# Allegro board MinnowMax_RevA1.brd (continued)
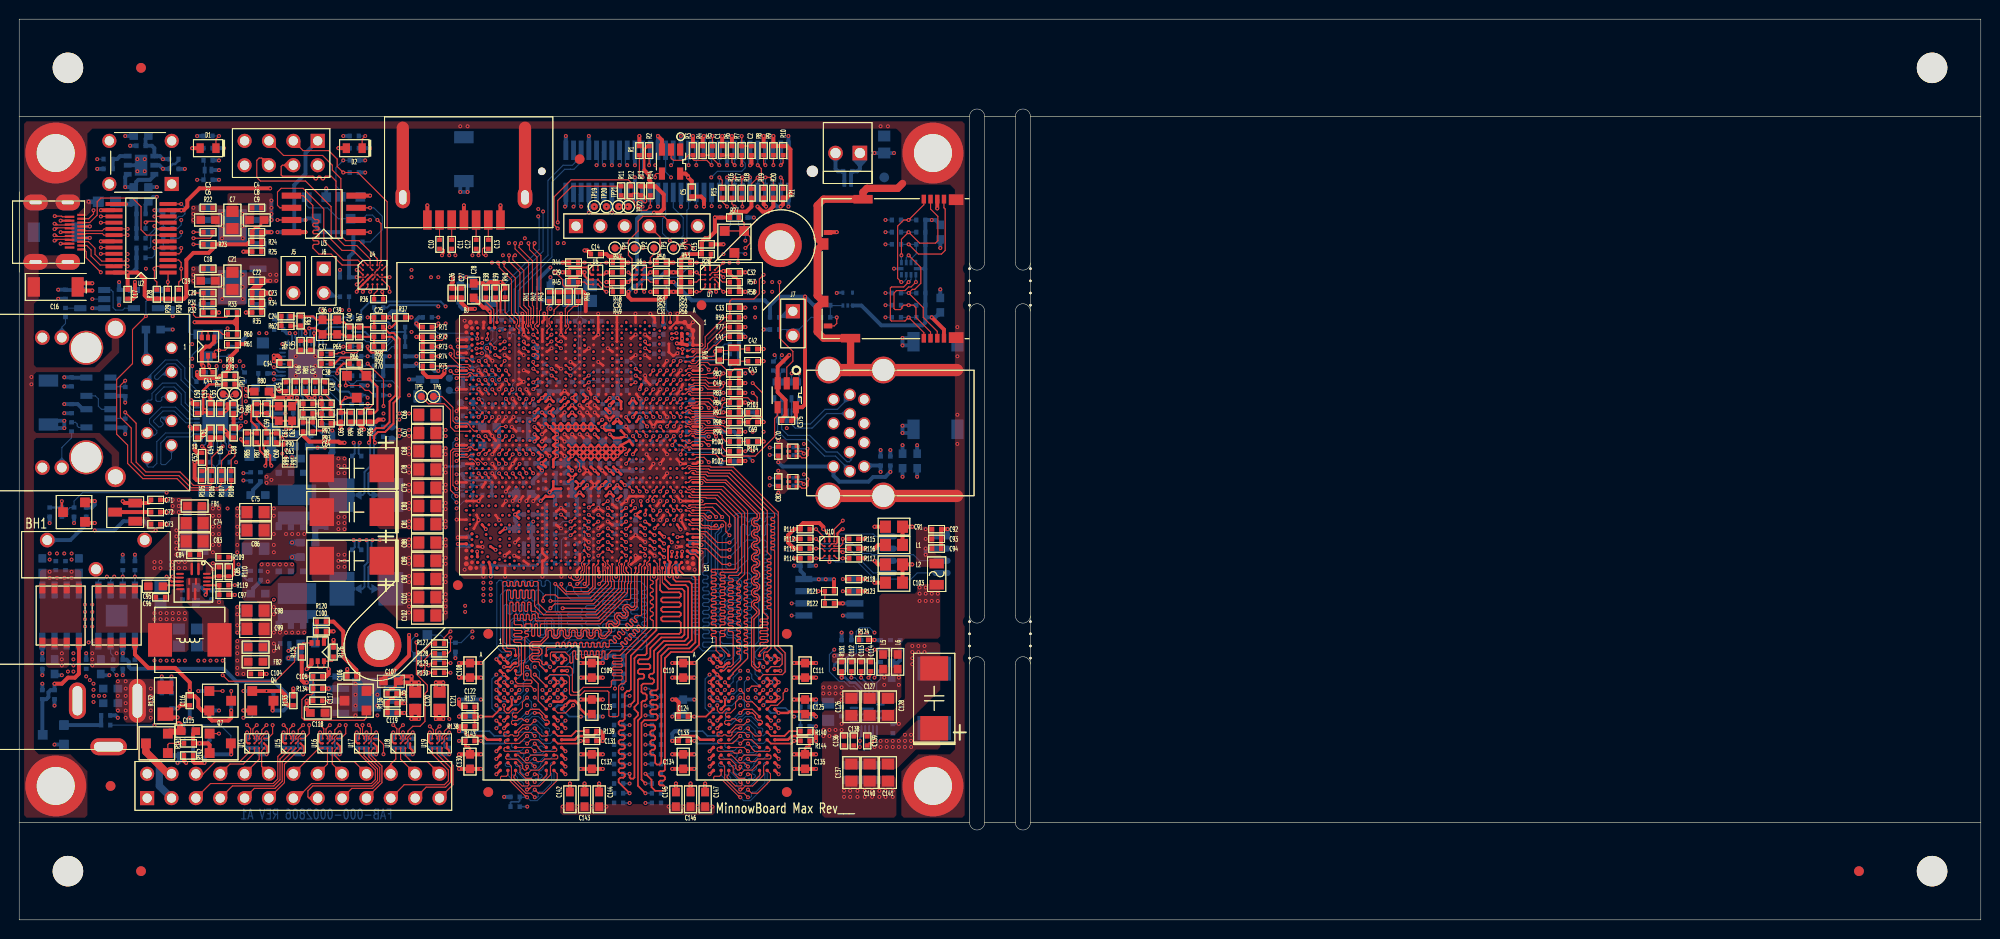
[diagram p0: board, top side]
## Routing (per net, layer and track width the routed paths; a pad name or vN(x,y) marks a point on that pad's centre or on a via; arc(x,y) is an arc through that point) (continued)
M_DATA_A46: length 31.9
  TOP w0.114: CPU1.Y42 60.86,41.91 v1(60.36,42.27) ; MEM1.G2 v1(50.54,23.19)
  INT3(V) w0.102: v1(50.54,23.19) 50.93,23.58 50.93,24.13 51.18,24.38 51.44,24.38 51.69,24.64 51.69,26.67 52.36,27.34 52.36,27.51 52.21,27.66 52.21,27.82 52.33,27.94 52.5,27.94 52.77,27.67 52.94,27.67 53.06,27.79 53.06,27.95 52.78,28.23 52.78,28.37 52.89,28.48 53.03,28.48 53.3,28.2 53.47,28.2 53.59,28.32 53.59,28.49 53.36,28.72 53.36,28.97 53.48,29.09 53.65,29.09 53.79,28.94 53.96,28.94 54.08,29.06 54.08,29.23 53.93,29.38 53.93,29.55 54.05,29.67 54.22,29.67 54.37,29.52 54.54,29.52 54.66,29.64 54.66,29.81 54.51,29.96 54.51,30.12 54.63,30.24 54.8,30.24 54.94,30.09 55.11,30.09 55.23,30.21 55.23,30.38 55.08,30.53 55.08,30.7 55.2,30.82 55.37,30.82 55.52,30.67 55.69,30.67 55.81,30.79 55.81,30.96 55.66,31.1 55.66,31.27 55.78,31.39 55.94,31.39 56.09,31.24 56.26,31.24 56.38,31.36 56.38,31.53 56.23,31.68 56.23,31.85 56.35,31.97 56.52,31.97 56.67,31.82 56.84,31.82 57.53,32.51 57.53,32.68 57.38,32.83 57.38,33 57.5,33.12 57.67,33.12 57.82,32.97 57.99,32.97 58.11,33.09 58.11,33.25 57.96,33.4 57.96,33.57 58.08,33.69 58.24,33.69 58.39,33.54 58.56,33.54 58.68,33.66 58.68,33.83 58.53,33.98 58.53,34.15 58.65,34.27 58.82,34.27 58.97,34.12 59.14,34.12 59.31,34.29 59.31,36.7 60.01,37.4 60.01,41.91 v1(60.36,42.27)
M_DATA_A47: length 31.9
  TOP w0.114: v1(52.94,26.39) 53.34,25.99 53.34,25.4 54.1,24.64 54.1,22.83 MEM1.H7 ; CPU1.AB40 v1(59.37,43.03)
  INT3(V) w0.102: v1(59.37,43.03) 59.4,43 59.85,43 60.22,42.64 60.5,42.64 60.72,42.41 60.72,37.61 59.69,36.58 59.69,33.91 59.3,33.52 59.04,33.52 58.92,33.4 58.92,33.23 59.07,33.08 59.07,32.91 58.95,32.79 58.79,32.79 58.64,32.94 58.47,32.94 58.35,32.82 58.35,32.65 58.5,32.5 58.5,32.34 58.38,32.22 58.21,32.22 58.06,32.37 57.89,32.37 57.77,32.25 57.77,32.08 57.92,31.93 57.92,31.76 57.8,31.64 57.64,31.64 57.49,31.79 57.32,31.79 57.2,31.67 57.2,31.5 57.35,31.35 57.35,31.19 57.23,31.07 57.06,31.07 56.91,31.22 56.74,31.22 56.62,31.1 56.62,30.93 56.77,30.78 56.77,30.61 56.65,30.49 56.49,30.49 56.34,30.64 56.17,30.64 56.05,30.52 56.05,30.35 56.2,30.21 56.2,30.04 56.08,29.92 55.91,29.92 55.76,30.07 55.59,30.07 55.48,29.95 55.48,29.78 55.62,29.63 55.62,29.46 55.51,29.34 55.34,29.34 55.19,29.49 55.02,29.49 54.9,29.37 54.9,29.2 55.05,29.06 55.05,28.89 54.93,28.77 54.76,28.77 54.61,28.92 54.44,28.92 54.33,28.8 54.33,28.63 54.47,28.48 54.47,28.31 52.94,26.78 v1(52.94,26.39)
M_DATA_A48: length 31
  TOP w0.114: CPU1.V45 v1(61.35,40.84)
  INT8(V) w0.102: v1(53.74,26.39) 53.09,27.04 53.09,28.14 53.21,28.26 53.47,28.26 53.59,28.38 53.59,28.55 53.47,28.67 53.21,28.67 53.09,28.79 53.09,28.96 53.21,29.08 53.47,29.08 53.59,29.19 53.59,29.36 53.47,29.48 53.21,29.48 53.09,29.6 53.09,29.77 53.21,29.89 53.47,29.89 53.59,30.01 53.59,30.18 53.47,30.29 53.21,30.29 53.09,30.41 53.09,30.58 53.21,30.7 53.47,30.7 53.59,30.82 53.59,30.99 53.47,31.11 53.21,31.11 53.09,31.23 53.09,31.39 53.21,31.51 53.47,31.51 53.59,31.63 53.59,31.8 53.47,31.92 53.21,31.92 53.09,32.04 53.09,32.21 53.21,32.33 53.47,32.33 53.59,32.45 53.59,32.61 53.47,32.73 53.21,32.73 53.09,32.85 53.09,33.02 53.21,33.14 53.47,33.14 53.59,33.26 53.59,33.43 53.47,33.55 53.21,33.55 53.09,33.66 53.09,33.83 53.21,33.95 53.47,33.95 53.59,34.07 53.59,34.24 53.47,34.36 53.21,34.36 53.09,34.48 53.09,34.65 53.21,34.76 53.47,34.76 53.59,34.88 53.59,35.05 53.47,35.17 53.21,35.17 53.09,35.29 53.09,35.46 53.21,35.58 53.47,35.58 53.59,35.7 53.59,35.86 53.47,35.98 53.21,35.98 53.09,36.1 53.09,36.27 53.21,36.39 53.47,36.39 53.59,36.51 53.59,36.96 56.26,39.62 57.78,39.62 58.66,40.5 61.01,40.5 v1(61.35,40.84)
  BOTTOM w0.114: v1(53.74,26.39) 54.23,25.9 54.23,25.1 MEM4.E3
M_DATA_A49: length 31.9
  TOP w0.114: CPU1.V47 v1(61.35,40.13)
  INT8(V) w0.102: v1(61.35,40.13) 61.35,40.15 61.72,40.51 61.72,41.02 61.54,41.2 61.5,41.2 58.6,41.2 57.9,40.5 56.63,40.5 52.58,36.45 52.58,34.85 52.46,34.73 52.32,34.73 52.2,34.61 52.2,34.45 52.32,34.33 52.46,34.33 52.58,34.21 52.58,34.04 52.46,33.92 52.32,33.92 52.2,33.8 52.2,33.63 52.32,33.51 52.46,33.51 52.58,33.39 52.58,33.23 52.46,33.11 52.32,33.11 52.2,32.99 52.2,32.82 52.32,32.7 52.46,32.7 52.58,32.58 52.58,32.41 52.46,32.29 52.32,32.29 52.2,32.18 52.2,32.01 52.32,31.89 52.46,31.89 52.58,31.77 52.58,31.6 52.46,31.48 52.32,31.48 52.2,31.36 52.2,31.19 52.32,31.08 52.46,31.08 52.58,30.96 52.58,30.79 52.46,30.67 52.32,30.67 52.2,30.55 52.2,30.38 52.32,30.26 52.46,30.26 52.58,30.14 52.58,29.98 52.46,29.86 52.32,29.86 52.2,29.74 52.2,29.57 52.32,29.45 52.46,29.45 52.58,29.33 52.58,29.16 52.46,29.04 52.32,29.04 52.2,28.92 52.2,28.76 52.32,28.64 52.46,28.64 52.58,28.52 52.58,28.35 52.46,28.23 52.32,28.23 52.2,28.11 52.2,27.94 52.32,27.82 52.46,27.82 52.58,27.71 52.58,27.54 52.46,27.42 52.32,27.42 52.2,27.3 52.2,27.13 52.32,27.01 52.46,27.01 52.58,26.89 52.58,26.72 52.46,26.61 52.32,26.61 52.2,26.49 52.2,26.33 v1(52.94,25.59)
  BOTTOM w0.114: MEM4.F7 52.25,23.59 52.54,23.88 52.54,24.73 52.94,25.13 v1(52.94,25.59)
M_DATA_A50: length 31.7
  TOP w0.114: v1(59.37,38.74) 59.35,38.74 58.94,39.13 CPU1.AD48
  INT8(V) w0.102: v1(59.37,38.74) 59.37,38.94 60.21,39.78 60.22,39.78 62.08,39.78 62.36,39.5 62.36,37.85 62.74,37.47 62.74,36.71 62.62,36.59 62.22,36.59 62.1,36.47 62.1,36.3 62.22,36.18 62.62,36.18 62.74,36.06 62.74,35.53 62.62,35.41 62.22,35.41 62.1,35.29 62.1,35.12 62.22,35 62.62,35 62.74,34.88 62.74,34.71 62.62,34.6 62.22,34.6 62.1,34.48 62.1,34.31 62.22,34.19 62.62,34.19 62.74,34.07 62.74,33.9 62.62,33.78 62.22,33.78 62.1,33.66 62.1,33.49 62.22,33.38 62.62,33.38 62.72,33.27 62.72,33 59.44,29.72 59.44,24.26 59.05,23.88 59.05,22.73 58.8,22.48 58.29,22.48 58.03,22.74 58.03,23.2 57.91,23.32 57.59,23.32 57.47,23.2 57.47,22.86 57.35,22.75 56.24,22.75 56.14,22.85 v1(56.14,23.19)
  BOTTOM w0.114: MEM4.F2 v1(56.14,23.19)
M_DATA_A51: length 31.8
  TOP w0.114: v1(59.37,38) CPU1.AD50
  INT8(V) w0.102: v1(59.37,38) 58.61,38 58.51,37.9 58.51,37.6 58.63,37.48 59.19,37.48 59.31,37.36 59.31,37.19 59.19,37.07 58.63,37.07 58.51,36.95 58.51,36.78 58.63,36.67 59.19,36.67 59.31,36.55 59.31,36.38 59.19,36.26 58.63,36.26 58.51,36.14 58.51,35.97 58.63,35.85 59.19,35.85 59.31,35.73 59.31,35.56 59.19,35.45 58.63,35.45 58.51,35.33 58.51,34.79 58.63,34.67 59.19,34.67 59.31,34.55 59.31,34.04 59.04,33.77 58.88,33.77 58.35,34.3 58.18,34.3 58.06,34.18 58.06,34.01 58.59,33.48 58.59,33.32 58.47,33.2 58.3,33.2 57.77,33.73 57.6,33.73 57.48,33.61 57.48,33.44 58.01,32.91 58.01,32.74 57.89,32.62 57.73,32.62 57.2,33.15 57.03,33.15 56.91,33.03 56.91,32.86 57.44,32.33 57.44,32.17 57.28,32 54.99,32 54.74,31.75 54.74,27.69 55,27.43 55,26.04 54.36,25.4 54.36,25.02 53.72,24.38 51.73,24.38 v1(51.34,23.99)
  BOTTOM w0.114: MEM4.F8 v1(51.34,23.99)
M_DATA_A52: length 31.3
  TOP w0.114: v1(61.35,39.42) CPU1.V48
  INT8(V) w0.102: v1(53.74,23.19) 53.74,22.89 54.15,22.48 54.86,22.48 55.13,22.75 55.51,22.75 55.75,22.99 55.75,23.37 56,23.62 58.29,23.62 59.05,24.38 59.05,31.02 59.16,31.12 59.3,31.12 59.67,30.75 59.84,30.75 59.96,30.87 59.96,31.04 59.49,31.51 59.49,31.68 59.61,31.79 59.78,31.79 60.24,31.33 60.41,31.33 60.53,31.45 60.53,31.62 60.06,32.08 60.06,32.25 60.18,32.37 60.35,32.37 60.82,31.9 60.99,31.9 61.1,32.02 61.1,32.19 60.64,32.66 60.64,32.82 60.76,32.94 60.93,32.94 61.39,32.48 61.56,32.48 61.72,32.64 61.72,37.08 61.98,37.34 61.98,39.12 61.67,39.42 v1(61.35,39.42)
  BOTTOM w0.114: v1(53.74,23.19) MEM4.H3
M_DATA_A53: length 31.9
  TOP w0.114: v1(61.35,38.71) CPU1.V50
  INT8(V) w0.102: v1(52.94,23.99) 53.31,23.62 53.85,23.62 54.1,23.37 54.1,22.99 54.25,22.83 54.71,22.83 54.99,23.11 54.99,23.37 55.27,23.65 55.48,23.65 55.75,23.92 55.75,24.13 56.01,24.38 58.04,24.38 58.17,24.51 58.17,24.78 58.05,24.89 57.9,24.89 57.78,25.01 57.78,25.18 57.9,25.3 58.05,25.3 58.17,25.42 58.17,25.59 58.05,25.71 57.9,25.71 57.78,25.83 57.78,25.99 57.9,26.11 58.05,26.11 58.17,26.23 58.17,27.05 58.27,27.15 58.56,27.15 58.66,27.25 58.66,27.49 58.56,27.6 58.29,27.6 58.17,27.72 58.17,27.88 58.29,28 58.55,28 58.67,28.12 58.67,28.29 58.55,28.41 58.29,28.41 58.17,28.53 58.17,28.7 58.29,28.82 58.55,28.82 58.67,28.93 58.67,29.1 58.55,29.22 58.29,29.22 58.17,29.34 58.17,29.51 58.29,29.63 58.55,29.63 58.67,29.75 58.67,29.92 58.55,30.03 58.29,30.03 58.17,30.15 58.17,30.32 58.29,30.44 58.55,30.44 58.67,30.56 58.67,30.73 58.55,30.85 58.27,30.85 58.17,30.95 58.17,31.11 61.35,34.3 61.35,34.81 61.24,34.92 61.08,34.92 60.96,35.04 60.96,35.21 61.08,35.33 61.24,35.33 61.35,35.45 61.35,35.62 61.24,35.74 61.08,35.74 60.96,35.86 60.96,36.03 61.08,36.14 61.24,36.14 61.36,36.26 61.36,38.23 61.35,38.24 v1(61.35,38.71)
  BOTTOM w0.114: v1(52.94,23.99) 52.94,23.73 52.58,23.37 52.58,22.99 52.02,22.43 51.38,22.43 MEM4.H8
M_DATA_A54: length 31.8
  TOP w0.114: CPU1.AB44 v1(60.36,41.56)
  INT8(V) w0.102: v1(55.34,22.39) 55.34,21.49 55.63,21.21 57.78,21.21 58.04,20.95 58.04,20.57 58.29,20.32 59.18,20.32 59.44,20.57 59.44,23.75 59.82,24.13 59.82,29.46 63.12,32.77 63.12,37.59 62.74,37.97 62.74,40.77 61.61,41.9 60.71,41.9 v1(60.36,41.56)
  BOTTOM w0.114: MEM4.G2 v1(55.34,22.39)
M_DATA_A55: length 31.9
  TOP w0.114: CPU1.Y45 v1(60.36,40.13)
  INT8(V) w0.102: v1(49.74,25.59) 50.18,25.15 53.09,25.15 53.34,25.4 53.34,25.68 53.6,25.93 53.87,25.93 54.23,26.29 54.23,26.92 53.98,27.18 53.98,34.11 55.78,35.91 55.78,36.39 55.63,36.55 55.63,36.71 55.75,36.83 55.89,36.83 56.01,36.95 56.01,37.12 55.89,37.24 55.75,37.24 55.63,37.36 55.63,37.53 55.75,37.65 55.89,37.65 56.01,37.77 56.01,37.93 55.89,38.05 55.75,38.05 55.63,38.17 55.63,38.35 56.52,39.24 58.17,39.24 58.71,39.79 59.6,39.79 59.95,40.13 v1(60.36,40.13)
  BOTTOM w0.114: MEM4.H7 51.34,21.59 49.78,21.59 49.28,22.1 49.28,25.13 v1(49.74,25.59)
M_DATA_A56: length 31.6
  TOP w0.114: v1(56.64,32.51) 59.94,32.51 62.03,34.6 62.03,35.37 61.83,35.58 61.83,37.09 CPU1.V52
  BOTTOM w0.114: MEM4.D7 51.99,25.19 52.8,26 53.18,26 53.34,26.16 53.34,26.67 54.1,27.43 54.1,28.45 54.53,28.88 56.57,28.88 57.28,29.59 58.57,29.59 58.67,29.69 58.67,29.87 58.55,29.98 57.27,29.98 57.15,30.1 57.15,30.27 57.27,30.39 58.55,30.39 58.67,30.51 58.67,30.68 58.55,30.8 57.27,30.8 57.15,30.92 57.15,31.08 57.27,31.2 58.55,31.2 58.67,31.32 58.67,31.49 58.55,31.61 57.27,31.61 57.15,31.73 57.15,31.9 57.27,32.02 58.55,32.02 58.67,32.14 58.67,32.39 58.55,32.51 v1(56.64,32.51)
M_DATA_A57: length 31.8
  TOP w0.102: 61.61,36.45 61.61,36.88 61.61,36.88 61.61,36.89 61.34,37.15 61.34,37.45 CPU1.W51
  TOP w0.114: 61.61,36.45 61.61,35.42 61.73,35.3 61.73,34.81 59.89,32.97 55.83,32.97 v1(55.37,32.51)
  BOTTOM w0.114: MEM4.C8 51.31,26.36 51.31,26.92 51.56,27.18 51.82,27.18 52.19,27.55 52.19,28.2 51.69,28.7 50.8,28.7 50.55,28.96 50.55,32.77 50.67,32.89 50.84,32.89 50.96,32.77 50.96,32 51.08,31.88 51.25,31.88 51.37,32 51.37,32.77 51.49,32.89 51.65,32.89 51.77,32.77 51.77,32 51.89,31.88 52.06,31.88 52.18,32 52.18,32.77 52.3,32.89 52.47,32.89 52.59,32.77 52.59,32 52.7,31.88 52.87,31.88 52.99,32 52.99,32.77 53.11,32.89 53.28,32.89 53.4,32.77 53.4,32 53.52,31.88 53.69,31.88 53.81,32 53.81,32.77 53.92,32.89 54.09,32.89 54.21,32.77 54.21,32 54.33,31.88 54.74,31.88 v1(55.37,32.51)
M_DATA_A58: length 31.7
  TOP w0.114: v1(57.4,35.05) 57.78,34.67 59.06,34.67 59.39,35 CPU1.AC53
  BOTTOM w0.114: MEM4.C3 54.48,26.45 54.48,28.32 54.74,28.57 56.77,28.57 57.4,29.21 60.2,29.21 60.45,29.46 60.45,29.84 60.33,29.95 59.17,29.95 59.05,30.07 59.05,30.24 59.17,30.36 60.33,30.36 60.45,30.48 60.45,30.65 60.33,30.77 59.17,30.77 59.05,30.89 59.05,31.05 59.17,31.17 60.33,31.17 60.45,31.29 60.45,31.46 60.33,31.58 59.17,31.58 59.05,31.7 59.05,31.87 59.17,31.99 60.33,31.99 60.45,32.11 60.45,32.27 60.33,32.39 59.17,32.39 59.05,32.51 59.05,32.68 59.17,32.8 60.33,32.8 60.45,32.92 60.45,33.15 60.2,33.4 57.53,33.4 57.02,33.91 57.02,34.67 v1(57.4,35.05)
M_DATA_A59: length 31.7
  TOP w0.102: 59.11,36.2 59.11,36.88 59.39,37.16 CPU1.AC51
  TOP w0.114: 59.11,36.2 59.11,35.24 v1(58.93,35.05)
  BOTTOM w0.114: v1(58.93,35.05) 59.44,34.54 64.26,34.54 64.52,34.29 64.52,34.06 64.4,33.94 63.87,33.94 63.75,33.82 63.75,33.66 63.87,33.54 64.4,33.54 64.52,33.42 64.52,33.25 64.4,33.13 63.87,33.13 63.75,33.01 63.75,32.84 63.87,32.72 64.4,32.72 64.52,32.6 64.52,32.44 64.4,32.32 63.87,32.32 63.75,32.2 63.75,32.03 63.87,31.91 64.4,31.91 64.52,31.79 64.52,31.62 64.4,31.5 63.87,31.5 63.75,31.38 63.75,31.22 63.87,31.1 64.4,31.1 64.52,30.98 64.52,30.81 64.4,30.69 63.87,30.69 63.75,30.57 63.75,30.4 63.87,30.28 64.4,30.28 64.52,30.17 64.52,30 64.4,29.88 63.87,29.88 63.75,29.76 63.75,29.59 63.87,29.47 64.4,29.47 64.52,29.35 64.52,29.08 63.96,28.52 61.1,28.52 60.64,28.07 57.78,28.07 57.4,27.69 57.4,26.92 56.9,26.42 56.17,26.42 MEM4.C2
M_DATA_A60: length 31.8
  TOP w0.114: v1(55.37,33.27) 59.69,33.27 61.42,35.01 61.42,35.22 61.34,35.31 CPU1.W53
  BOTTOM w0.114: MEM4.B8 50.94,27.06 51.27,27.4 51.27,27.73 51.06,27.94 50.29,27.94 49.78,28.45 49.78,35.18 50.04,35.43 50.24,35.43 50.36,35.31 50.36,34.92 50.48,34.8 50.65,34.8 50.77,34.92 50.77,35.31 50.88,35.43 51.05,35.43 51.17,35.31 51.17,34.92 51.29,34.8 51.46,34.8 51.58,34.92 51.58,35.31 51.7,35.43 51.87,35.43 51.98,35.31 51.98,34.92 52.1,34.8 52.27,34.8 52.39,34.92 52.39,35.31 52.51,35.43 52.68,35.43 52.8,35.31 52.8,34.92 52.92,34.8 53.08,34.8 53.2,34.92 53.2,35.31 53.32,35.43 53.49,35.43 53.61,35.31 53.61,34.92 53.73,34.8 53.9,34.8 54.02,34.92 54.02,35.31 54.14,35.43 54.3,35.43 54.42,35.31 54.42,34.92 54.54,34.8 54.71,34.8 54.83,34.92 54.83,35.31 54.95,35.43 55.12,35.43 55.37,35.18 v1(55.37,33.27)
M_DATA_A61: length 31.7
  TOP w0.102: CPU1.Y51 60.85,37.51 61.14,37.22 61.14,36.96 61.07,36.89 61.07,36.88 61.06,36.88 61.06,36.48 61.12,36.42
  TOP w0.114: v1(54.61,33.27) 54.61,33.66 54.86,33.91 55.88,33.91 56.2,33.59 59.55,33.59 61.12,35.15 61.12,36.42
  BOTTOM w0.114: v1(54.61,33.27) 54.61,34.04 54.23,34.42 53.96,34.42 53.84,34.3 53.84,33.39 53.72,33.27 53.55,33.27 53.43,33.39 53.43,34.3 53.31,34.42 53.15,34.42 53.03,34.3 53.03,33.39 52.91,33.27 52.74,33.27 52.62,33.39 52.62,34.3 52.5,34.42 52.33,34.42 52.21,34.3 52.21,33.39 52.1,33.27 51.93,33.27 51.81,33.39 51.81,34.3 51.69,34.42 51.52,34.42 51.4,34.3 51.4,33.39 51.28,33.27 51.11,33.27 51,33.39 51,34.3 50.88,34.42 50.67,34.42 50.16,33.91 50.16,28.7 50.55,28.32 51.44,28.32 51.74,28.02 MEM4.A7
M_DATA_A62: length 31.7
  TOP w0.102: 58.8,35.56 58.8,36.22 58.91,36.33 CPU1.AD52
  TOP w0.114: v1(58.17,35.05) 58.29,35.05 58.8,35.56
  BOTTOM w0.114: MEM4.A3 54.94,28.02 55.19,28.27 56.97,28.27 57.53,28.83 60.45,28.83 60.83,29.21 62,29.21 62.1,29.31 62.1,29.54 61.98,29.66 60.95,29.66 60.83,29.78 60.83,29.95 60.95,30.07 61.98,30.07 62.1,30.18 62.1,30.35 61.98,30.47 60.95,30.47 60.83,30.59 60.83,30.76 60.95,30.88 61.98,30.88 62.1,31 62.1,31.17 61.98,31.28 60.95,31.28 60.83,31.4 60.83,31.57 60.95,31.69 61.98,31.69 62.1,31.81 62.1,31.98 61.98,32.1 60.95,32.1 60.83,32.22 60.83,32.39 60.95,32.5 61.98,32.5 62.1,32.62 62.1,32.79 61.98,32.91 60.95,32.91 60.83,33.03 60.83,33.2 60.95,33.32 61.98,33.32 62.1,33.44 62.1,33.66 61.98,33.78 58.29,33.78 57.78,34.29 57.78,34.67 v1(58.17,35.05)
M_DATA_A63: length 31.7
  TOP w0.102: 58.9,37.53 58.61,37.24 58.61,36.96 58.7,36.88 58.7,36.47 58.55,36.32 58.55,35.69
  TOP w0.114: 58.9,37.53 CPU1.AD51 ; v1(57.4,35.81) 57.78,35.43 58.29,35.43 58.55,35.69
  BOTTOM w0.114: v1(57.4,35.81) 57.78,35.43 58.3,35.43 58.57,35.16 58.57,34.4 58.8,34.16 63.25,34.16 63.37,34.04 63.37,33.81 63.25,33.69 62.6,33.69 62.48,33.57 62.48,33.4 62.6,33.28 63.25,33.28 63.37,33.16 63.37,32.99 63.25,32.88 62.6,32.88 62.48,32.76 62.48,32.59 62.6,32.47 63.25,32.47 63.37,32.35 63.37,32.18 63.25,32.06 62.6,32.06 62.48,31.94 62.48,31.78 62.6,31.66 63.25,31.66 63.37,31.54 63.37,31.37 63.25,31.25 62.6,31.25 62.48,31.13 62.48,30.96 62.6,30.84 63.25,30.84 63.37,30.72 63.37,30.56 63.25,30.44 62.6,30.44 62.48,30.32 62.48,30.15 62.6,30.03 63.25,30.03 63.37,29.91 63.37,28.96 63.25,28.83 60.98,28.83 60.59,28.45 57.66,28.45 57.15,27.94 56.09,27.94 MEM4.A2
M_DM_A0: length 37.2
  TOP w0.114: MEM2.E7 76.36,24.39 v1(75.97,23.99) ; CPU1.G36 v1(66.82,44.69)
  INT3(V) w0.102: v1(75.97,23.99) 77.22,25.24 77.22,36.13 77.31,36.22 77.89,36.22 77.98,36.31 77.98,36.44 77.89,36.52 77.31,36.52 77.22,36.61 77.22,36.74 77.31,36.83 77.89,36.83 77.98,36.92 77.98,37.05 77.89,37.13 77.31,37.13 77.22,37.22 77.22,37.35 77.31,37.44 77.89,37.44 77.98,37.53 77.98,37.65 77.89,37.74 77.31,37.74 77.22,37.83 77.22,37.96 77.31,38.05 77.89,38.05 77.98,38.14 77.98,38.26 77.89,38.35 77.31,38.35 77.22,38.44 77.22,38.57 77.31,38.66 77.89,38.66 77.98,38.75 77.98,38.99 72.9,44.07 70.48,44.07 69.52,45.03 67.16,45.03 v1(66.82,44.69)
M_DM_A1: length 32
  TOP w0.114: MEM2.D3 74.42,25.65 74.42,25.78 75.92,27.28 75.92,27.73 75.83,27.81 75.65,27.81 75.56,27.9 75.56,28.03 75.65,28.12 75.83,28.12 75.92,28.21 75.92,28.33 75.83,28.42 75.65,28.42 75.56,28.51 75.56,28.64 75.65,28.73 75.83,28.73 75.92,28.82 75.92,28.94 75.83,29.03 75.65,29.03 75.56,29.12 75.56,29.25 75.65,29.34 75.83,29.34 75.92,29.43 75.92,29.55 75.83,29.64 75.65,29.64 75.56,29.73 75.56,29.86 75.65,29.95 75.83,29.95 75.92,30.04 75.92,30.16 75.83,30.25 75.65,30.25 75.56,30.34 75.56,30.47 75.65,30.56 75.83,30.56 75.92,30.65 75.92,30.77 75.83,30.86 75.65,30.86 75.56,30.95 75.56,31.08 75.65,31.17 75.83,31.17 75.92,31.26 75.92,31.38 75.83,31.47 75.65,31.47 75.56,31.56 75.56,31.69 75.65,31.78 75.83,31.78 75.92,31.87 75.92,31.99 75.83,32.08 75.65,32.08 75.56,32.17 75.56,32.3 75.65,32.39 75.83,32.39 75.92,32.48 75.92,32.6 75.83,32.69 75.65,32.69 75.56,32.78 75.56,32.91 75.65,33 75.83,33 75.92,33.09 75.92,33.21 75.83,33.3 75.65,33.3 75.56,33.39 75.56,33.52 75.65,33.61 75.83,33.61 75.92,33.69 75.92,33.82 75.83,33.91 75.65,33.91 75.56,34 75.56,34.13 75.65,34.22 75.83,34.22 75.92,34.3 75.92,34.43 75.83,34.52 75.65,34.52 75.56,34.61 75.56,34.74 75.65,34.82 75.83,34.82 75.92,34.91 75.92,35.04 75.83,35.13 75.65,35.13 75.56,35.22 75.56,35.35 75.65,35.43 75.83,35.43 75.92,35.52 75.92,42.7 73.4,45.22 69.91,45.22 CPU1.B36
M_DM_A2: length 32.8
  TOP w0.114: CPU1.F38 v1(68.24,43.7)
  INT8(V) w0.102: v1(75.16,25.99) 75.16,26.77 75.28,26.89 75.45,26.89 75.56,27.01 75.56,27.18 75.45,27.3 75.28,27.3 75.16,27.42 75.16,27.59 75.28,27.71 75.45,27.71 75.56,27.83 75.56,27.99 75.45,28.11 75.28,28.11 75.16,28.23 75.16,28.4 75.28,28.52 75.45,28.52 75.56,28.64 75.56,28.81 75.45,28.93 75.28,28.93 75.16,29.04 75.16,29.21 75.28,29.33 75.45,29.33 75.56,29.45 75.56,29.62 75.45,29.74 75.28,29.74 75.16,29.86 75.16,30.03 75.28,30.14 75.45,30.14 75.56,30.26 75.56,30.43 75.45,30.55 75.28,30.55 75.16,30.67 75.16,30.84 75.28,30.96 75.45,30.96 75.56,31.08 75.56,31.25 75.45,31.36 75.28,31.36 75.16,31.48 75.16,31.65 75.28,31.77 75.45,31.77 75.56,31.89 75.56,32.06 75.45,32.18 75.28,32.18 75.16,32.3 75.16,32.46 75.28,32.58 75.45,32.58 75.56,32.7 75.56,32.87 75.45,32.99 75.28,32.99 75.16,33.11 75.16,33.28 75.28,33.4 75.45,33.4 75.56,33.52 75.56,33.68 75.45,33.8 75.28,33.8 75.16,33.92 75.16,34.09 75.28,34.21 75.45,34.21 75.56,34.33 75.56,34.5 75.45,34.62 75.28,34.62 75.16,34.73 75.16,34.9 75.28,35.02 75.45,35.02 75.56,35.14 75.56,35.31 75.45,35.43 75.28,35.43 75.16,35.55 75.16,35.72 75.28,35.83 75.45,35.83 75.56,35.95 75.56,36.12 75.45,36.24 75.28,36.24 75.16,36.36 75.16,36.53 75.28,36.65 75.45,36.65 75.56,36.77 75.56,36.93 75.45,37.05 75.28,37.05 75.16,37.17 75.16,37.34 75.28,37.46 75.45,37.46 75.56,37.58 75.56,37.75 75.45,37.87 75.28,37.87 75.16,37.99 75.16,38.15 75.28,38.27 75.45,38.27 75.56,38.39 75.56,38.86 74.7,39.73 73.05,39.73 71.46,41.31 71.46,41.95 70.1,43.31 68.63,43.31 v1(68.24,43.7)
  BOTTOM w0.114: MEM3.E7 74.42,24.85 74.42,25.25 v1(75.16,25.99)
M_DM_A3: length 31.6
  TOP w0.114: CPU1.B42 69.93,42.16 71.25,42.16 71.75,41.66 73.41,41.66 73.66,41.4 73.66,40.51 v1(74.04,40.13)
  BOTTOM w0.114: MEM3.D3 76.71,25.65 76.71,26.67 76.33,27.05 76.33,28.32 77.09,29.08 77.09,33.88 76.97,34 76.83,34 76.71,34.12 76.71,34.29 76.83,34.41 76.97,34.41 77.09,34.53 77.09,34.7 76.97,34.81 76.83,34.81 76.71,34.93 76.71,35.1 76.83,35.22 76.97,35.22 77.09,35.34 77.09,35.51 76.97,35.63 76.83,35.63 76.71,35.75 76.71,35.91 76.83,36.03 76.97,36.03 77.09,36.15 77.09,36.32 76.97,36.44 76.83,36.44 76.71,36.56 76.71,36.73 76.83,36.85 76.97,36.85 77.09,36.97 77.09,37.13 76.97,37.25 76.83,37.25 76.71,37.37 76.71,37.54 76.83,37.66 76.97,37.66 77.09,37.78 77.09,37.95 76.97,38.07 76.83,38.07 76.71,38.18 76.71,38.35 76.83,38.47 76.97,38.47 77.09,38.59 77.09,38.86 76.83,39.12 76.36,39.12 75.95,38.7 75.95,37.59 74.93,36.58 73.91,36.58 73.66,36.83 73.66,39.75 v1(74.04,40.13)
M_DM_A4: length 31.6
  TOP w0.102: 63.8,36.65 63.47,36.98 63.47,37.22 63.63,37.38 63.63,37.66 CPU1.P51
  TOP w0.114: 63.8,36.65 63.8,35.17 63.73,35.1 63.73,33.52 63.63,33.41 63.11,33.41 60.58,30.89 54.43,30.89 54.34,30.8 54.34,29.68 54.25,29.59 54.12,29.59 54.03,29.68 54.03,30.8 53.94,30.89 53.82,30.89 53.73,30.8 53.73,29.68 53.64,29.59 53.51,29.59 53.42,29.68 53.42,30.8 53.33,30.89 52.81,30.89 52.7,30.78 52.7,30.56 52.79,30.47 53,30.47 53.09,30.38 53.09,30.25 53,30.16 52.79,30.16 52.7,30.07 52.7,29.95 52.79,29.86 53,29.86 53.09,29.77 53.09,29.64 53,29.55 52.79,29.55 52.7,29.46 52.7,26.92 52.58,26.8 52.58,25.13 52.69,25.02 53.33,25.02 53.44,24.92 53.44,24.74 53.33,24.64 51.96,24.64 51.74,24.86 MEM1.D3
M_DM_A5: length 31.8
  TOP w0.114: MEM1.E7 v1(53.74,25.59) ; CPU1.V42 v1(61.35,42.27)
  INT3(V) w0.102: v1(61.35,42.27) 60.96,41.87 60.96,37.34 60.07,36.45 60.07,33.27 56.45,29.65 56.45,29.48 57.04,28.89 57.04,28.72 56.92,28.6 56.75,28.6 56.16,29.19 55.99,29.19 55.87,29.07 55.87,28.91 56.47,28.31 56.47,28.14 56.35,28.03 56.18,28.03 55.58,28.62 55.42,28.62 55.3,28.5 55.3,28.33 55.89,27.74 55.89,27.57 55.77,27.45 55.6,27.45 55.01,28.04 54.84,28.04 54.72,27.92 54.72,27.76 55.32,27.16 55.32,26.99 55.2,26.88 55.03,26.88 54.43,27.47 54.27,27.47 54.15,27.35 54.15,27.18 54.74,26.59 54.74,26.42 54.62,26.3 54.45,26.3 53.86,26.89 53.69,26.89 53.34,26.54 53.34,25.99 v1(53.74,25.59)
M_DM_A6: length 31.9
  TOP w0.114: v1(60.36,38) 60.86,38.39 CPU1.Y50
  INT8(V) w0.102: v1(51.34,24.79) 51.37,24.77 53.59,24.77 54.12,25.29 54.12,25.67 54.61,26.16 54.61,27.18 54.36,27.43 54.36,32.39 54.86,32.89 55.63,32.89 55.75,32.77 55.9,32.77 56.01,32.87 56.01,33.01 55.82,33.2 55.82,33.34 55.96,33.48 56.11,33.48 56.33,33.26 56.5,33.26 56.62,33.38 56.62,33.55 56.15,34.01 56.15,34.18 56.27,34.3 56.44,34.3 56.91,33.83 57.08,33.83 57.19,33.95 57.19,34.12 56.73,34.59 56.73,34.76 56.85,34.88 57.02,34.88 57.48,34.41 57.65,34.41 57.78,34.54 57.78,36.2 57.67,36.32 57.02,36.32 56.9,36.44 56.9,36.61 57.02,36.72 57.92,36.72 58.04,36.84 58.04,37.01 57.92,37.13 57.02,37.13 56.9,37.25 56.9,37.42 57.02,37.54 57.92,37.54 58.04,37.66 58.04,37.82 57.92,37.94 57.02,37.94 56.9,38.06 56.9,38.23 57.02,38.36 59.69,38.36 60.04,38 v1(60.36,38)
  BOTTOM w0.114: MEM4.E7 v1(51.34,24.79)
M_DM_A7: length 31.6
  TOP w0.114: v1(60.45,35.05) 60.85,35.45 60.85,36.39 CPU1.Y52
  BOTTOM w0.114: v1(60.45,35.05) 60.71,35.31 64.77,35.31 65.41,34.67 65.41,34.49 65.29,34.37 65.02,34.37 64.9,34.25 64.9,34.09 65.02,33.97 65.29,33.97 65.41,33.85 65.41,33.68 65.29,33.56 65.02,33.56 64.9,33.44 64.9,33.27 65.02,33.15 65.29,33.15 65.41,33.03 65.41,32.87 65.29,32.75 65.02,32.75 64.9,32.63 64.9,32.46 65.02,32.34 65.29,32.34 65.41,32.22 65.41,32.05 65.29,31.93 65.02,31.93 64.9,31.82 64.9,31.65 65.02,31.53 65.29,31.53 65.41,31.41 65.41,31.24 65.29,31.12 65.02,31.12 64.9,31 64.9,30.83 65.02,30.71 65.29,30.71 65.41,30.6 65.41,30.43 65.29,30.31 65.02,30.31 64.9,30.19 64.9,30.02 65.02,29.9 65.29,29.9 65.41,29.78 65.41,29.61 65.29,29.5 65.02,29.5 64.9,29.38 64.9,29.21 65.02,29.09 65.29,29.09 65.41,28.97 65.41,28.7 64.9,28.19 61.2,28.19 60.69,27.69 58.04,27.69 57.78,27.43 57.78,25.78 57.53,25.53 55.28,25.53 MEM4.D3
M_DQS_A_N0: length 37.3
  TOP w0.119: MEM2.G3 v1(74.36,23.19) ; v1(65.5,43.7) CPU1.K38
  INT3(V) w0.114: v1(65.5,43.7) 66.11,44.31 69.23,44.31 70.37,43.17 72.95,43.17 73.15,43.17 76.57,39.75 76.57,38.77 76.29,38.5 75.81,38.5 75.68,38.37 75.68,38.18 75.81,38.04 76.29,38.04 76.57,37.77 76.57,37.38 76.29,37.1 75.81,37.1 75.68,36.97 75.68,36.78 75.81,36.65 76.29,36.65 76.57,36.37 76.57,35.98 76.29,35.71 75.81,35.71 75.68,35.57 75.68,35.38 75.81,35.25 76.29,35.25 76.57,34.97 76.57,34.58 76.29,34.31 75.81,34.31 75.68,34.17 75.68,33.99 75.81,33.85 76.29,33.85 76.57,33.58 76.57,27.46 75.77,26.67 75.3,26.67 74.73,26.09 74.73,23.55 v1(74.36,23.19)
M_DQS_A_N1: length 32
  TOP w0.119: MEM2.B7 77.16,26.43 77.05,26.32 76.91,26.32 76.59,26.64 76.59,31.38 77.14,31.92 77.14,32.3 76.59,32.85 76.59,33 76.69,33.1 76.93,33.1 77.18,33.36 77.18,33.71 76.93,33.97 76.69,33.97 76.59,34.07 76.59,34.22 76.69,34.33 76.93,34.33 77.18,34.58 77.18,34.94 76.93,35.19 76.69,35.19 76.59,35.3 76.59,35.45 76.69,35.55 76.93,35.55 77.18,35.8 77.18,36.16 76.93,36.42 76.69,36.42 76.59,36.52 76.59,36.67 76.69,36.78 76.93,36.78 77.18,37.03 77.18,37.39 76.93,37.64 76.69,37.64 76.59,37.75 76.59,37.89 76.69,38 76.93,38 77.18,38.25 77.18,38.61 76.93,38.87 76.69,38.87 76.59,38.97 76.59,39.12 76.69,39.22 76.93,39.22 77.18,39.48 77.18,39.84 76.93,40.09 76.69,40.09 76.59,40.19 76.59,40.34 76.69,40.45 76.93,40.45 77.18,40.7 77.18,41.06 76.93,41.31 76.69,41.31 76.59,41.42 76.59,41.57 76.69,41.67 76.93,41.67 77.18,41.93 77.18,42.38 73.68,45.89 71.69,45.89 71.38,46.21 69.99,46.21 69.99,46.2 69.92,46.2 CPU1.B34